# Altium PCB MB1605.PcbDoc (part 3 of 11) (continued)
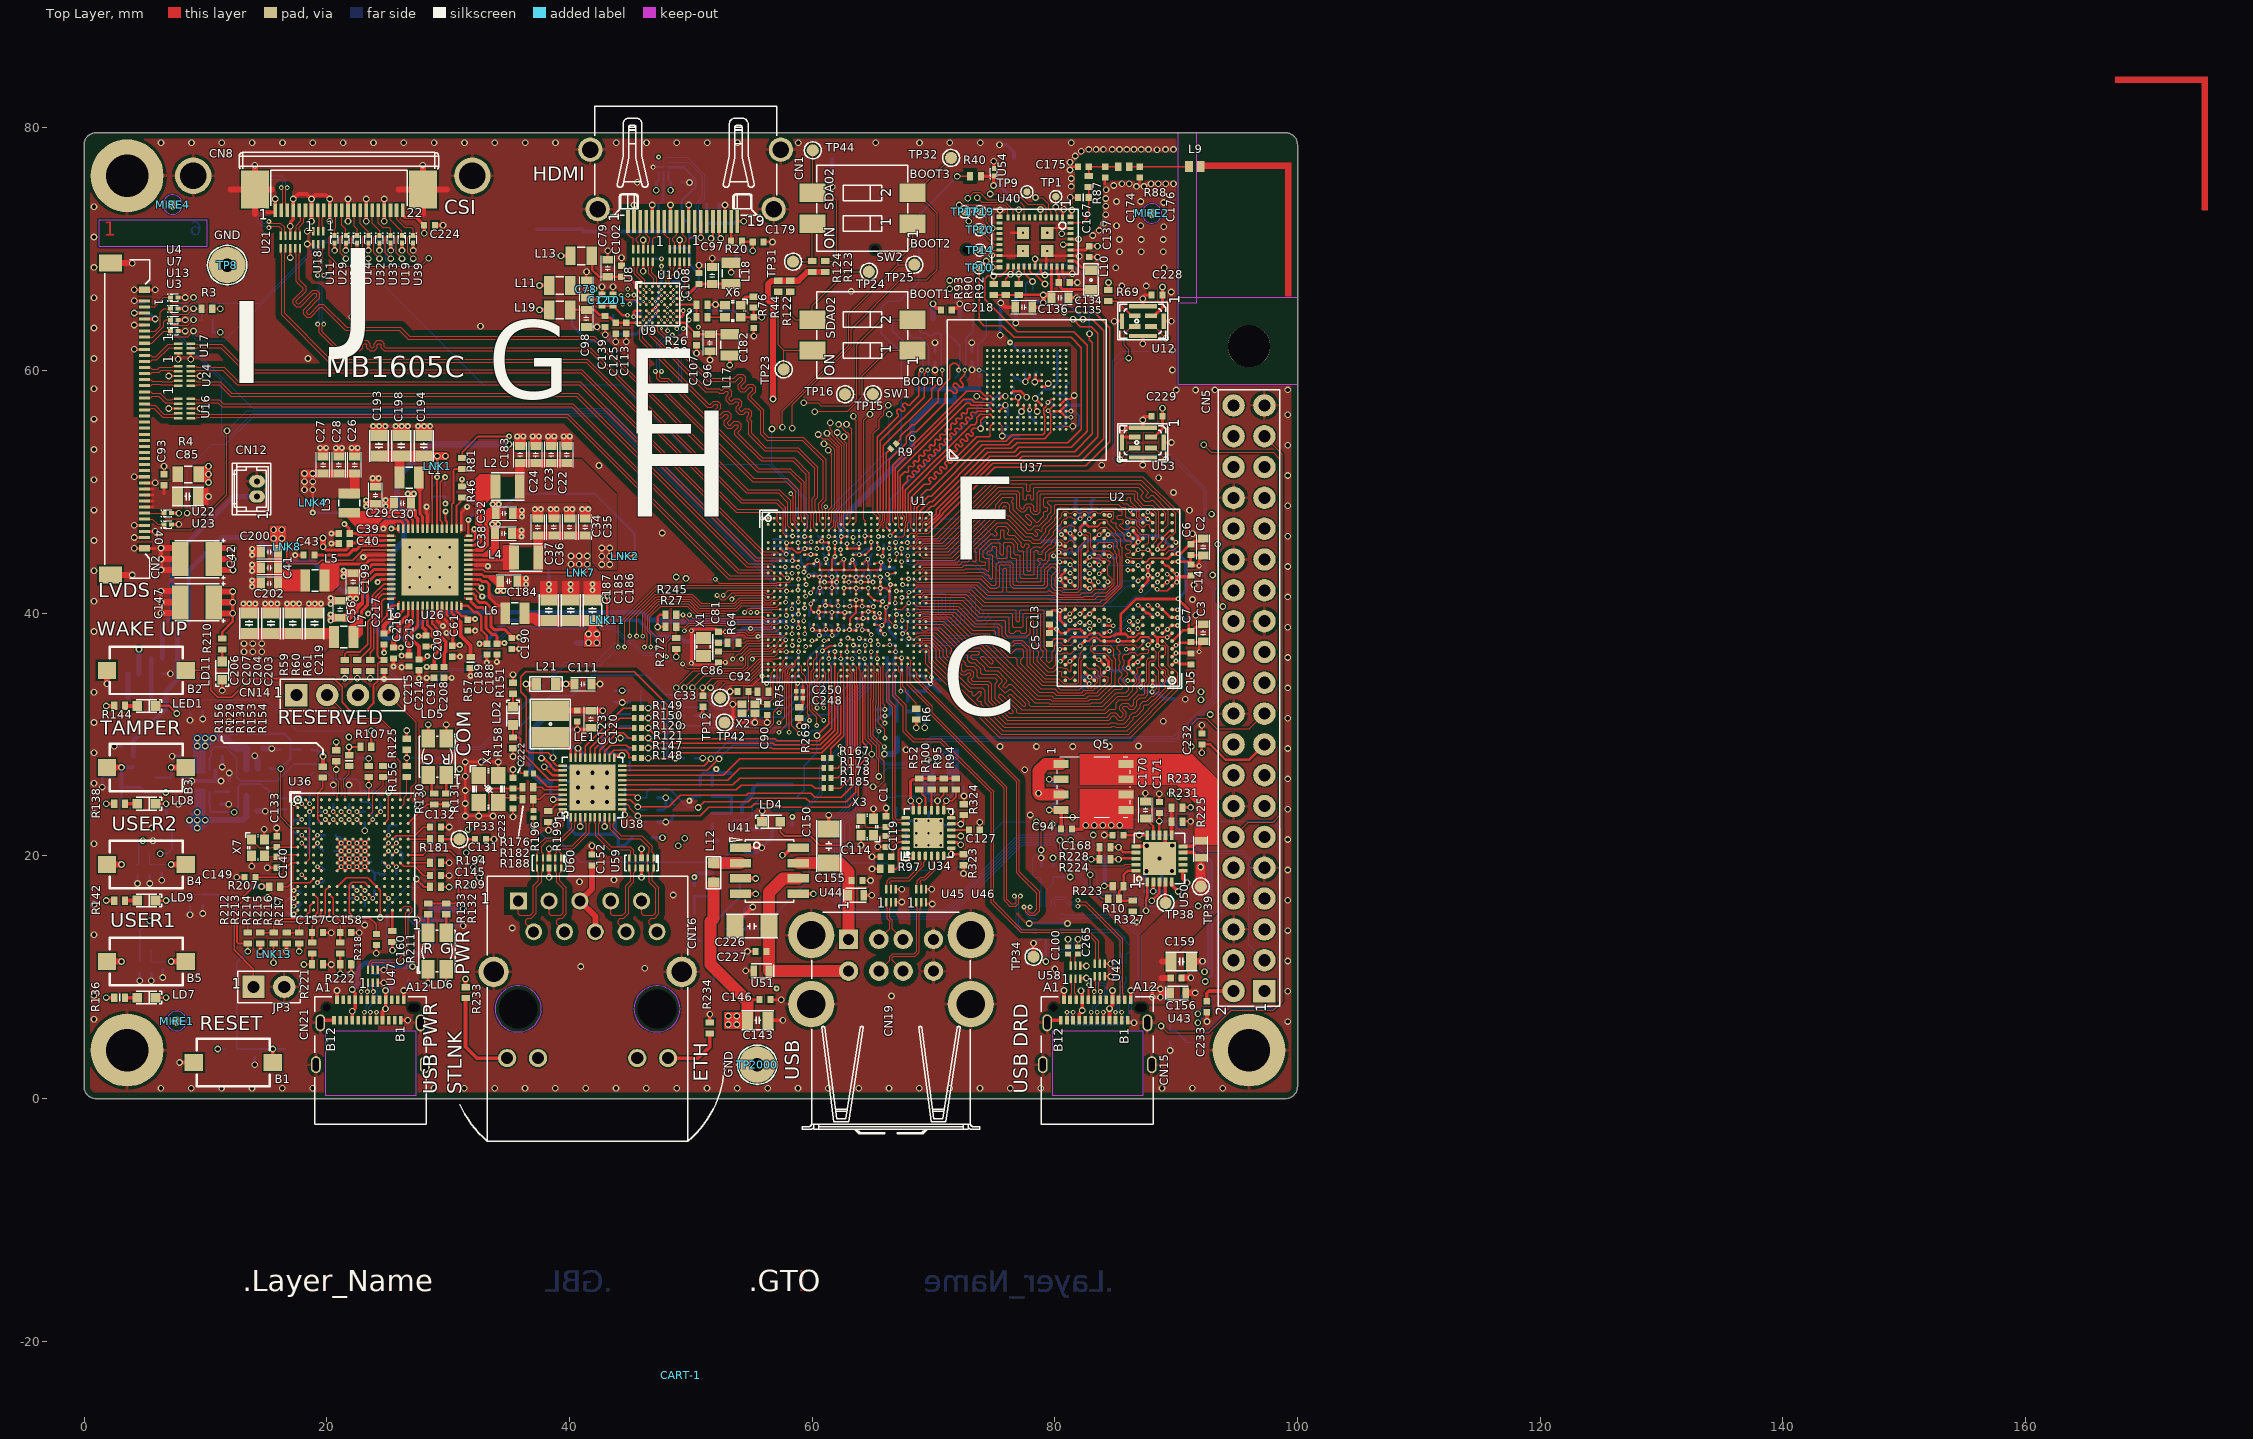
[diagram p0: Top Layer view]
## Part data (continued)
LE1: library part MCD-00048, "FIXED IND 4.7UH 1A 180 MOHM 30% SMD", Manufacturer=MURATA, Manufacturer_Part_Number=LQH32PN4R7NN0L, Package=1210, Component_Country_Of_Origin=Japan, ComponentLink1Description=Datasheet, ComponentLink1URL=http://tunmcdsvn.tun.st.com/Component_Documentation_Library/Trunk/Inductor/MURATA_LQH32PN4R7NN0, ECCN_EU=n/a, ECCN_US=n/a, ID=2544, Initial_Board_Reference=mb1274, Internal_Part_Number=MCD-00048, Order_Code_Digikey=490-5338-2-ND, Order_Code_Farnell=2470296, Order_Code_RS=167-4086, Part_Preference=Recommended, Part_Type=Inductor, Provided_By=SUBCO, ShowFields=YES, Status=Released
LED1: library part MCD-00585, "LED Blue, 0603 SMD, Forward Voltage Min=2,8V, Max=3,8V", Alternate_Manufacturer=EVERLIGHT, Alternate_Manufacturer_Part_Number=19-217-BHC-ZL1M2RY-3T-V4, Manufacturer="OSRAM OPTO SEMICONDUCTORS", Manufacturer_Part_Number="LB Q39G-L2OO-35-1", Package="LED 0603", Alternate_Internal_Part_Number=MCD-02398, Component_Country_Of_Origin=Unknown, ComponentLink1Description=Datasheet, ComponentLink1URL=http://tunmcdsvn.tun.st.com/Component_Documentation_Library/Trunk/Display/OSRAM_OPTO_SEMICONDUCTORS_LB-Q39G_Series, ECCN_EU=n/a, ECCN_US=n/a, Full_Alternate_Internal_Part_Number=MCD-02398, ID=3159, Internal_Part_Number=MCD-00585, Order_Code_Digikey=475-2816-1-ND, Order_Code_Farnell=N/A, Order_Code_RS=9148643, Part_Preference=Recommended, Part_Type=Display, Provided_By=SUBCO, ShowFields=YES, Status=Released
LNK1 LNK2 LNK4 LNK7 LNK8 LNK11: library part MCD-02777, "Track link on PCB 200um width for layout routing", Manufacturer=N/A, ComponentLink1URL=http://tunmcdsvn.tun.st.com/Component_Documentation_Library/Trunk, ID=4889, Internal_Part_Number=MCD-02777, Manufacturer_Part_Number=link_200, Order_Code_Digikey=N/A, Order_Code_Farnell=N/A, Order_Code_RS=N/A, Part_Preference=Recommended, Part_Type=Misc, ShowFields=YES, Status=Checked
LNK13: library part MCD-02777, "Track link on PCB 200um width for layout routing. No component assembly and no component in BOM", Manufacturer=N/A, ComponentLink1URL=http://tunmcdsvn.tun.st.com/Component_Documentation_Library/Trunk, ID=4889, Internal_Part_Number=MCD-02777, Manufacturer_Part_Number=link_200, Order_Code_Digikey=N/A, Order_Code_Farnell=N/A, Order_Code_RS=N/A, Part_Preference=Recommended, Part_Type=Misc, ShowFields=YES, Status=Checked
Q1 Q2 Q3: library part MCD-02221, "MOSFET N-CH 20V SC-89", Alternate_Manufacturer=N/A, Manufacturer=VISHAY, Manufacturer_Part_Number=Si1062X, Package=SC-89, Alternate_Manufacturer_Part_Number=N/A, Component_Country_Of_Origin=Philippines, ComponentLink1Description=Part_Information, ComponentLink1URL=http://tunmcdsvn.tun.st.com/Component_Documentation_Library/Trunk/Transistor/VISHAY_SI1062X, ID=4321, Internal_Part_Number=MCD-02221, Order_Code_Digikey=SI1062X-T1-GE3CT-ND, Order_Code_Farnell=2646363, Order_Code_RS=812-3044, Part_Preference=Recommended, Part_Type=Transistor, ShowFields=YES, Status=Checked
Q5: library part MCD-02152, "MOSFET, Dual N-channel 30 V, 0.016 ? typ., 40 A, STripFET?H5 Power MOSFET", Manufacturer=STMICROELECTRONICS, Manufacturer_HQ_COO=EU, Package="PowerFLAT 5x6", Component_Country_Of_Origin=China, ComponentLink1URL=http://tunmcdsvn.tun.st.com/Component_Documentation_Library/Trunk/Transistor/STMICROELECTRONICS_STL40DN3LLH5, ID=4252, Internal_Part_Number=MCD-02152, Manufacturer_Part_Number=STL40DN3LLH5, Order_Code_Digikey=N/A, Order_Code_Farnell=N/A, Order_Code_RS=N/A, Part_Preference=Recommended, Part_Type=Transistor, ShowFields=YES, Status=Released
Q9 Q10: library part MCD-03690, "Transistor, MOSFET, P-CH, 30V, 3.8A, SOT23", Manufacturer="DIODES INCORPORATED", Manufacturer_Part_Number=DMP3099L, Package=SOT23, ComponentLink1URL=http://tunmcdsvn.tun.st.com/Component_Documentation_Library/Trunk/Transistor/DIODES_INCORPORATED_DMP3099L, ID=5806, Internal_Part_Number=MCD-03690, Order_Code_Digikey=DMP3099L-13DITR-ND, Order_Code_Farnell=N/A, Order_Code_RS=N/A, Part_Preference=Recommended, Part_Type=Transistor, ShowFields=YES, Status=New
Q11 Q12: library part MCD-03691, "Transistor, MOSFET, N-CH, 30V, 0.9A, SOT23", Manufacturer="DIODES INCORPORATED", Manufacturer_Part_Number=DMN3731U, ComponentLink1URL=http://tunmcdsvn.tun.st.com/Component_Documentation_Library/Trunk/Transistor/DIODES_INCORPORATED_DMN3731U, ID=5807, Internal_Part_Number=MCD-03691, Order_Code_Digikey=31-DMN3731U-7TR-ND, Order_Code_Farnell=3943613, Order_Code_RS=206-0087, Part_Preference=Recommended, Part_Type=Transistor, ShowFields=YES, Status=New
R1 R2: library part MCD-02253, "Resistor, 240R, 0201, +/-1%, 1/20W", Alternate_Manufacturer=N/A, Manufacturer=YAGEO, Manufacturer_Part_Number=RC0201FR-07240RL, Package=0201, Alternate_Manufacturer_Part_Number=N/A, Component_Country_Of_Origin=China, ComponentLink1URL=http://tunmcdsvn.tun.st.com/Component_Datasheet_Library/Trunk/Resistors/Yageo_Resistor_RC0201-series, ID=4353, Internal_Part_Number=MCD-02253, Order_Code_Digikey=YAG2528CT-ND, Order_Code_Farnell=N/A, Order_Code_RS=N/A, Part_Preference=Recommended, Part_Type=Resistor, ShowFields=YES, Status=Checked
R3 R15 R16 R17 R76 R156 R213 R214 R215 R220 R223 R323 R324: library part MCD-00053, "Resistor, 10K, 0402, +/-1%, 1/16W", Manufacturer=YAGEO, Manufacturer_Part_Number=RC0402FR-0710KL, Package=0402, BMS_Part_Number=9131590, Component_Country_Of_Origin=China, ComponentLink1URL=http://tunmcdsvn.tun.st.com/Component_Documentation_Library/Trunk/Resistor/YAGEO_RC_L_Series, ID=2539, Internal_Part_Number=MCD-00053, Order_Code_Digikey=311-10.0KLRCT-ND, Order_Code_Farnell=9239359, Order_Code_RS=N/A, Part_Preference=Recommended, Part_Type=Resistor, ShowFields=YES, Status=Released
R4: library part MCD-00179, "Resistor, 0R, 0805, +/-5%, 1/8W", Manufacturer=YAGEO, Manufacturer_Part_Number=RC0805JR-070RL, Package=0805, Component_Country_Of_Origin=China, ComponentLink1URL=http://tunmcdsvn.tun.st.com/Component_Documentation_Library/Trunk/Resistor/YAGEO_RC_L_Series, ID=2685, Internal_Part_Number=MCD-00179, Order_Code_Digikey=311-0.0ARCT-ND, Order_Code_Farnell=9233750, Order_Code_RS=N/A, Part_Preference=Recommended, Part_Type=Resistor, ShowFields=YES, Status=Released
R5 R6 R7 R250 R251: library part MCD-00417, "Resistor, 200R, 0402, +/-1%, 1/16W", Manufacturer=YAGEO, Manufacturer_Part_Number=RC0402FR-07200RL, Package=0402, Component_Country_Of_Origin=China, ComponentLink1URL=http://tunmcdsvn.tun.st.com/Component_Documentation_Library/Trunk/Resistor/YAGEO_RC_L_Series, ID=2860, Internal_Part_Number=MCD-00417, Order_Code_Digikey=311-200LRCT-ND, Order_Code_Farnell=1458756, Order_Code_RS=N/A, Part_Preference=Recommended, Part_Type=Resistor, ShowFields=YES, Status=Released
R8 R12 R219: library part MCD-02335, "Resistor, 140K, 0402, +/-1%, 1/16W", Manufacturer=YAGEO, Manufacturer_Part_Number=RC0402FR-07140KL, Package=0402, Component_Country_Of_Origin=China, ComponentLink1URL=http://tunmcdsvn.tun.st.com/Component_Documentation_Library/Trunk/Resistor/YAGEO_RC_L_Series, ID=4441, Internal_Part_Number=MCD-02335, Order_Code_Digikey=YAG2978CT-ND, Order_Code_Farnell=N/A, Order_Code_RS=N/A, Part_Preference=Recommended, Part_Type=Resistor, ShowFields=YES, Status=Checked
R9 R120 R121 R147 R148 R149 R150 R161 R164 R167 R173 R176 R178 R185 R196: library part MCD-02978, "Resistor, 22R, 0201, +/-1%, 1/20W", Manufacturer=YAGEO, Manufacturer_Part_Number=RC0201FR-0722RL, Package=0201, Component_Country_Of_Origin=China, ComponentLink1URL=http://tunmcdsvn.tun.st.com/Component_Documentation_Library/Trunk/Resistor/YAGEO_RC_L_Series, ID=5094, Internal_Part_Number=MCD-02978, Order_Code_Digikey=YAG2518TR-ND, Order_Code_Farnell=2693564, Order_Code_RS=198-7593, Part_Preference=Recommended, Part_Type=Resistor, ShowFields=YES, Status=Checked
R10 R40 R46 R57 R59 R60 R61 R64 R75 R81 R267 R269 R286: library part MCD-00052, "Resistor,0R,0402,5%,1/16W", Alternate_Manufacturer=N/A, Manufacturer=YAGEO, Manufacturer_Part_Number=RC0402JR-070RL, Package=0402, Alternate_Manufacturer_Part_Number=N/A, Component_Country_Of_Origin=China, ComponentLink1URL=http://tunmcdsvn.tun.st.com/Component_Documentation_Library/Trunk/Resistor/YAGEO_RC_L_Series, ID=2540, Internal_Part_Number=MCD-00052, Order_Code_Digikey=311-0.0JRCT-ND, Order_Code_Farnell=9232516RL, Order_Code_RS=618-5804, Part_Preference=Recommended, Part_Type=Resistor, ShowFields=YES, Status=Released
  R10: ComponentLink1Description=Part_Information
  R40: ComponentLink1Description=Datasheet, ECCN_EU=NEC, ECCN_US=EAR99, Provided_By=SUBCO
  R46 R57 R59 R60 R61 R81 R267 R269 R286: ComponentLink1Description=Datasheet, ECCN_EU=NEC, ECCN_US=EAR99, Initial_Board_Reference=mb1274, Provided_By=SUBCO
  R64 R75: ComponentLink1Description=Datasheet, ECCN_EU=n/a, ECCN_US=n/a, Initial_Board_Reference=mb1274, Provided_By=SUBCO
R11: library part MCD-00056, "Resistor, 0R, 0603, +/-5%, 1/10W", Manufacturer=YAGEO, Manufacturer_Part_Number=RC0603JR-070RL, Package=0603, Component_Country_Of_Origin=China, ComponentLink1URL=http://tunmcdsvn.tun.st.com/Component_Documentation_Library/Trunk/Resistor/YAGEO_RC_L_Series, ID=2536, Internal_Part_Number=MCD-00056, Order_Code_Digikey=311-0.0GRCT-ND, Order_Code_Farnell=9233130RL, Order_Code_RS=N/A, Part_Preference=Recommended, Part_Type=Resistor, ShowFields=YES, Status=Released
R13 R21 R22 R25: library part MCD-00419, "Resistor, 2K, 0402, +/-1%, 1/16W", Manufacturer=YAGEO, Manufacturer_Part_Number=RC0402FR-072KL, Package=0402, Component_Country_Of_Origin=China, ComponentLink1URL=http://tunmcdsvn.tun.st.com/Component_Documentation_Library/Trunk/Resistor/YAGEO_RC_L_Series, ID=2861, Internal_Part_Number=MCD-00419, Order_Code_Digikey=311-2KLRCT-ND, Order_Code_Farnell=1458757RL, Order_Code_RS=N/A, Part_Preference=Recommended, Part_Type=Resistor, ShowFields=YES, Status=Released
R18 R139: library part MCD-00061, "Resistor, 1K, 0402, +/-1%,1/16W", Manufacturer=YAGEO, Manufacturer_Part_Number=RC0402FR-071KL, Package=0402, Component_Country_Of_Origin=China, ComponentLink1URL=http://tunmcdsvn.tun.st.com/Component_Documentation_Library/Trunk/Resistor/YAGEO_RC_L_Series, ID=2532, Internal_Part_Number=MCD-00061, Order_Code_Digikey=311-1.00KLRCT-ND, Order_Code_Farnell=9239235, Order_Code_RS=N/A, Part_Preference=Recommended, Part_Type=Resistor, ShowFields=YES, Status=Released
R20 R23 R24 R26 R29 R30 R63 R67 R129 R154 R155 R211 R212: library part MCD-00052, "Resistor, 0R, 0402, +/-5%, 1/16W", Manufacturer=YAGEO, Manufacturer_Part_Number=RC0402JR-070RL, Package=0402, Component_Country_Of_Origin=China, ComponentLink1URL=http://tunmcdsvn.tun.st.com/Component_Documentation_Library/Trunk/Resistor/YAGEO_RC_L_Series, ID=2540, Internal_Part_Number=MCD-00052, Order_Code_Digikey=311-0.0JRCT-ND, Order_Code_Farnell=9232516RL, Order_Code_RS=618-5804, Part_Preference=Recommended, Part_Type=Resistor, ShowFields=YES, Status=Released
R27 R33 R34 R52 R100 R107 R125 R205 R272: library part MCD-00053, "Resistor,10K,0402,1%,1/16W", Alternate_Manufacturer=N/A, Manufacturer=YAGEO, Manufacturer_Part_Number=RC0402FR-0710KL, Package=0402, Alternate_Manufacturer_Part_Number=N/A, BMS_Part_Number=9131590, Component_Country_Of_Origin=China, ComponentLink1Description=Datasheet, ComponentLink1URL=http://tunmcdsvn.tun.st.com/Component_Documentation_Library/Trunk/Resistor/YAGEO_RC_L_Series, ID=2539, Internal_Part_Number=MCD-00053, Order_Code_Digikey=311-10.0KLRCT-ND, Order_Code_Farnell=9239359, Order_Code_RS=N/A, Part_Preference=Recommended, Part_Type=Resistor, ShowFields=YES, Status=Released
  R34: ECCN_EU=NEC, ECCN_US=EAR99, Provided_By=SUBCO
  R52 R100: ECCN_EU=n/a, ECCN_US=n/a, Initial_Board_Reference=MB1274, Provided_By=SUBCO
R28: library part MCD-00444, "Resistor, 27K, 0603, +/-1%, 1/10W", Manufacturer=YAGEO, Manufacturer_Part_Number=RC0603FR-0727KL, Package=0603, Component_Country_Of_Origin=China, ComponentLink1URL=http://tunmcdsvn.tun.st.com/Component_Documentation_Library/Trunk/Resistor/YAGEO_RC_L_Series, ID=2833, Internal_Part_Number=MCD-00444, Order_Code_Digikey=311-27.0KHRCT-ND, Order_Code_Farnell=9238654, Order_Code_RS=N/A, Part_Preference=Recommended, Part_Type=Resistor, ShowFields=YES, Status=Released
R31 R32 R224 R228 R245 R246: library part MCD-00068, "Resistor,1K5,0402,1%,1/16W", Alternate_Manufacturer=N/A, Manufacturer=YAGEO, Manufacturer_Part_Number=RC0402FR-071K5L, Package=0402, Alternate_Manufacturer_Part_Number=N/A, Component_Country_Of_Origin=China, ComponentLink1Description=Datasheet, ComponentLink1URL=http://tunmcdsvn.tun.st.com/Component_Documentation_Library/Trunk/Resistor/YAGEO_RC_L_Series, ID=2524, Internal_Part_Number=MCD-00068, Order_Code_Digikey=311-1.50KLRCT-ND, Order_Code_Farnell=9239251, Order_Code_RS=N/A, Part_Preference=Recommended, Part_Type=Resistor, ShowFields=YES, Status=Released
R35 R36 R37 R38 R39: library part MCD-00063, "Resistor,47K,0402,1%,1/16W", Alternate_Manufacturer=N/A, Manufacturer=YAGEO, Manufacturer_Part_Number=RC0402FR-0747KL, Package=0402, Alternate_Manufacturer_Part_Number=N/A, Component_Country_Of_Origin=China, ComponentLink1Description=Datasheet, ComponentLink1URL=http://tunmcdsvn.tun.st.com/Component_Documentation_Library/Trunk/Resistor/YAGEO_RC_L_Series, ECCN_EU=NEC, ECCN_US=EAR99, ID=2528, Internal_Part_Number=MCD-00063, Order_Code_Digikey=311-47.0KLRCT-ND, Order_Code_Farnell=9239430, Order_Code_RS=N/A, Part_Preference=Recommended, Part_Type=Resistor, Provided_By=SUBCO, ShowFields=YES, Status=Released
R41 R162 R187 R200 R217 R218 R227 R229 R239: library part MCD-00059, "Resistor, 100K, 0402, +/-1%, 1/16W", Manufacturer=YAGEO, Manufacturer_Part_Number=RC0402FR-07100KL, Package=0402, Alternate_EMS=M, Component_Country_Of_Origin=China, ComponentLink1URL=http://tunmcdsvn.tun.st.com/Component_Documentation_Library/Trunk/Resistor/YAGEO_RC_L_Series, ID=2533, Internal_Part_Number=MCD-00059, Order_Code_Digikey=311-100KLRTR-ND, Order_Code_Farnell=2421891, Order_Code_RS=N/A, Part_Preference=Recommended, Part_Type=Resistor, Partial_Alternate_Internal_Part_Number=MCD-03301, ShowFields=YES, Status=Released
R42: library part MCD-00053, "Resistor, 10K, 0402, +/-1%, 1/16W", Alternate_Manufacturer=N/A, Manufacturer=YAGEO, Manufacturer_Part_Number=RC0402FR-0710KL, Package=0402, Alternate_Manufacturer_Part_Number=N/A, BMS_Part_Number=9131590, Component_Country_Of_Origin=China, ComponentLink1URL=http://tunmcdsvn.tun.st.com/Component_Documentation_Library/Trunk/Resistor/YAGEO_RC_L_Series, ID=2539, Internal_Part_Number=MCD-00053, Order_Code_Digikey=311-10.0KLRCT-ND, Order_Code_Farnell=9239359, Order_Code_RS=N/A, Part_Preference=Recommended, Part_Type=Resistor, ShowFields=YES, Status=Released
R44 R96 R122 R123 R124: library part MCD-00061, "Resistor,1K,0402,1%,1/16W", Alternate_Manufacturer=N/A, Manufacturer=YAGEO, Manufacturer_Part_Number=RC0402FR-071KL, Package=0402, Alternate_Manufacturer_Part_Number=N/A, Component_Country_Of_Origin=China, ComponentLink1Description=Datasheet, ComponentLink1URL=http://tunmcdsvn.tun.st.com/Component_Documentation_Library/Trunk/Resistor/YAGEO_RC_L_Series, ID=2532, Internal_Part_Number=MCD-00061, Order_Code_Digikey=311-1.00KLRCT-ND, Order_Code_Farnell=9239235, Order_Code_RS=N/A, Part_Preference=Recommended, Part_Type=Resistor, ShowFields=YES, Status=Released
  R96: ECCN_EU=n/a, ECCN_US=n/a, Initial_Board_Reference=MB1274, Provided_By=SUBCO
R66: library part MCD-00058, "Resistor, 20R, 0402, +/-1%, 1/16W", Alternate_Manufacturer=N/A, Manufacturer=YAGEO, Manufacturer_Part_Number=RC0402FR-0720RL, Package=0402, Alternate_Manufacturer_Part_Number=N/A, BMS_Part_Number=9131027, Component_Country_Of_Origin=China, ComponentLink1URL=http://tunmcdsvn.tun.st.com/Component_Documentation_Library/Trunk/Resistor/YAGEO_RC_L_Series, ID=2537, Internal_Part_Number=MCD-00058, Order_Code_Digikey=311-20LRCT-ND, Order_Code_Farnell=1799192, Order_Code_RS=N/A, Part_Preference=Recommended, Part_Type=Resistor, ShowFields=YES, Status=Released
R69 R101 R103 R104 R248: library part MCD-00053, "Resistor,10K,0402,1%,1/16W", Manufacturer=YAGEO, Manufacturer_Part_Number=RC0402FR-0710KL, Package=0402, BMS_Part_Number=9131590, Component_Country_Of_Origin=China, ComponentLink1Description=Datasheet, ComponentLink1URL=http://tunmcdsvn.tun.st.com/Component_Documentation_Library/Trunk/Resistor/YAGEO_RC_L_Series, ID=2539, Internal_Part_Number=MCD-00053, Order_Code_Digikey=311-10.0KLRCT-ND, Order_Code_Farnell=9239359, Order_Code_RS=N/A, Part_Preference=Recommended, Part_Type=Resistor, ShowFields=YES, Status=Released
  R101 R103 R104 R248: ECCN_EU=NEC, ECCN_US=EAR99, Provided_By=SUBCO
R87 R88 R182 R188: library part MCD-00052, "Resistor,0R,0402,5%,1/16W", Manufacturer=YAGEO, Manufacturer_Part_Number=RC0402JR-070RL, Package=0402, Component_Country_Of_Origin=China, ComponentLink1Description=Datasheet, ComponentLink1URL=http://tunmcdsvn.tun.st.com/Component_Documentation_Library/Trunk/Resistor/YAGEO_RC_L_Series, ID=2540, Internal_Part_Number=MCD-00052, Order_Code_Digikey=311-0.0JRCT-ND, Order_Code_Farnell=9232516RL, Order_Code_RS=618-5804, Part_Preference=Recommended, Part_Type=Resistor, Provided_By=SUBCO, ShowFields=YES, Status=Released
  R87 R88: ECCN_EU=NEC, ECCN_US=EAR99, Initial_Board_Reference=MB1274
  R182 R188: ECCN_EU=n/a, ECCN_US=n/a, Initial_Board_Reference=mb1274
R89 R90 R91 R92 R93: library part MCD-00063, "Resistor,47K,0402,1%,1/16W", Manufacturer=YAGEO, Manufacturer_Part_Number=RC0402FR-0747KL, Package=0402, Component_Country_Of_Origin=China, ComponentLink1Description=Datasheet, ComponentLink1URL=http://tunmcdsvn.tun.st.com/Component_Documentation_Library/Trunk/Resistor/YAGEO_RC_L_Series, ECCN_EU=NEC, ECCN_US=EAR99, ID=2528, Initial_Board_Reference=MB1274, Internal_Part_Number=MCD-00063, Order_Code_Digikey=311-47.0KLRCT-ND, Order_Code_Farnell=9239430, Order_Code_RS=N/A, Part_Preference=Recommended, Part_Type=Resistor, Provided_By=SUBCO, ShowFields=YES, Status=Released
R94 R95 R98 R99 R102 R105 R106 R128 R135 R137 R141 R143: library part MCD-00059, "Resistor,100K,0402,1%,1/16W", Alternate_Manufacturer=YAGEO, Alternate_Manufacturer_Part_Number=RT0402FRE07100KL, Manufacturer_Part_Number=RC0402FR-07100KL, Package=0402, Alternate_EMS=M, Component_Country_Of_Origin=China, ComponentLink1Description=Datasheet, ComponentLink1URL=http://tunmcdsvn.tun.st.com/Component_Documentation_Library/Trunk/Resistor/YAGEO_RC_L_Series, ID=2533, Internal_Part_Number=MCD-00059, Manufacturer=YAGEO, Order_Code_Digikey=311-100KLRTR-ND, Order_Code_Farnell=2421891, Order_Code_RS=N/A, Part_Preference=Recommended, Part_Type=Resistor, Partial_Alternate_Internal_Part_Number=MCD-03301, ShowFields=YES, Status=Released
  R94 R95 R98 R99 R102: ECCN_EU=n/a, ECCN_US=n/a, Initial_Board_Reference=MB1274, Provided_By=SUBCO
R97: library part MCD-00187, "Resistor,12K,0402,1%,1/16W", Alternate_Manufacturer=N/A, Manufacturer=YAGEO, Manufacturer_Part_Number=RC0402FR-0712KL, Package=0402, Alternate_Manufacturer_Part_Number=N/A, BMS_Part_Number=9131030, Component_Country_Of_Origin=China, ComponentLink1Description=Datasheet, ComponentLink1URL=http://tunmcdsvn.tun.st.com/Component_Documentation_Library/Trunk/Resistor/YAGEO_RC_L_Series, ECCN_EU=n/a, ECCN_US=n/a, ID=2678, Internal_Part_Number=MCD-00187, Order_Code_Digikey=311-12.0KLRCT-ND, Order_Code_Farnell=9239367, Order_Code_RS=N/A, Part_Preference=Recommended, Part_Type=Resistor, Provided_By=SUBCO, ShowFields=YES, Status=Released
R109 R110 R111 R112 R113 R114 R158 R292 R293 R303 R304 R305 R319 R322: library part MCD-00065, "Resistor,4K7,0402,1%,1/16W", Alternate_Manufacturer=YAGEO, Alternate_Manufacturer_Part_Number=RT0402FRE074K7L, Manufacturer_Part_Number=RC0402FR-074K7L, Package=0402, Alternate_EMS=M, Component_Country_Of_Origin=China, ComponentLink1Description=Datasheet, ComponentLink1URL=http://tunmcdsvn.tun.st.com/Component_Documentation_Library/Trunk/Resistor/YAGEO_RC_L_Series, ECCN_EU=n/a, ECCN_US=n/a, ID=2526, Initial_Board_Reference=mb1274, Internal_Part_Number=MCD-00065, Manufacturer=YAGEO, Order_Code_Digikey=311-4.7KLRCT-ND, Order_Code_Farnell=9239316, Order_Code_RS=N/A, Part_Preference=Recommended, Part_Type=Resistor, Partial_Alternate_Internal_Part_Number=MCD-03300, Provided_By=SUBCO, ShowFields=YES, Status=Released
R126 R127: library part MCD-00062, "Resistor,330R,0402,1%,1/16W", Alternate_Manufacturer=N/A, Manufacturer=YAGEO, Manufacturer_Part_Number=RC0402FR-07330RL, Package=0402, Alternate_Manufacturer_Part_Number=N/A, Component_Country_Of_Origin=China, ComponentLink1Description=Datasheet, ComponentLink1URL=http://tunmcdsvn.tun.st.com/Component_Documentation_Library/Trunk/Resistor/YAGEO_RC_L_Series, ID=2529, Internal_Part_Number=MCD-00062, Order_Code_Digikey=311-330LRCT-ND, Order_Code_Farnell=9239170, Order_Code_RS=N/A, Part_Preference=Recommended, Part_Type=Resistor, ShowFields=YES, Status=Released
R130 R132: library part MCD-00062, "Resistor, 330R, 0402, +/-1%, 1/16W", Manufacturer=YAGEO, Manufacturer_Part_Number=RC0402FR-07330RL, Package=0402, Component_Country_Of_Origin=China, ComponentLink1URL=http://tunmcdsvn.tun.st.com/Component_Documentation_Library/Trunk/Resistor/YAGEO_RC_L_Series, ID=2529, Internal_Part_Number=MCD-00062, Order_Code_Digikey=311-330LRCT-ND, Order_Code_Farnell=9239170, Order_Code_RS=N/A, Part_Preference=Recommended, Part_Type=Resistor, ShowFields=YES, Status=Released
R131 R133: library part MCD-02665, "Resistor, 1K, 0402, +/-0.1%, 1/16W, +/-25ppm/캜", Manufacturer=YAGEO, Manufacturer_Part_Number=RT0402BRD071KL, Package=0402, ComponentLink1URL=http://tunmcdsvn.tun.st.com/Component_Documentation_Library/Trunk/Resistor/YAGEO_RT_Series, ID=4771, Internal_Part_Number=MCD-02665, Order_Code_Digikey=YAG1386TR-ND, Order_Code_Farnell=3496475, Order_Code_RS=199-1298, Part_Preference=Recommended, Part_Type=Resistor, ShowFields=YES, Status=Checked
R134 R153 R207 R209: library part MCD-00455, "Resistor, 33R, 0402, +/-1%, 1/16W", Manufacturer=YAGEO, Manufacturer_Part_Number=RC0402FR-0733RL, Package=0402, Component_Country_Of_Origin=China, ComponentLink1URL=http://tunmcdsvn.tun.st.com/Component_Documentation_Library/Trunk/Resistor/YAGEO_RC_L_Series, ID=2821, Internal_Part_Number=MCD-00455, Order_Code_Digikey=311-33.0LRCT-ND, Order_Code_Farnell=9239057, Order_Code_RS=N/A, Part_Preference=Recommended, Part_Type=Resistor, ShowFields=YES, Status=Released
R136: library part MCD-00461, "Resistor,360R,0402,1%,1/16W", Manufacturer=YAGEO, Manufacturer_Part_Number=RC0402FR-07360RL, Package=0402, Component_Country_Of_Origin=China, ComponentLink1Description=Datasheet, ComponentLink1URL=http://tunmcdsvn.tun.st.com/Component_Documentation_Library/Trunk/Resistor/YAGEO_RC_L_Series, ECCN_EU=NEC, ECCN_US=EAR99, ID=2816, Internal_Part_Number=MCD-00461, Order_Code_Digikey=YAG3132CT-ND, Order_Code_Farnell=1458786, Order_Code_RS=N/A, Part_Preference=Recommended, Part_Type=Resistor, Provided_By=SUBCO, ShowFields=YES, Status=Released
R138 R151 R210: library part MCD-00441, "Resistor,270R,0402,1%,1/16W", Manufacturer=YAGEO, Manufacturer_Part_Number=RC0402FR-07270RL, Package=0402, Component_Country_Of_Origin=China, ComponentLink1Description=Datasheet, ComponentLink1URL=http://tunmcdsvn.tun.st.com/Component_Documentation_Library/Trunk/Resistor/YAGEO_RC_L_Series, ECCN_EU=NEC, ECCN_US=EAR99, ID=2838, Internal_Part_Number=MCD-00441, Order_Code_Digikey=311-270LRCT-ND, Order_Code_Farnell=9239162, Order_Code_RS=N/A, Part_Preference=Recommended, Part_Type=Resistor, Provided_By=SUBCO, ShowFields=YES, Status=Released
R140 R181: library part MCD-00067, "Resistor, 100R, 0402, +/- 1%, 1/16W", Manufacturer=YAGEO, Manufacturer_Part_Number=RC0402FR-07100RL, Package=0402, Component_Country_Of_Origin=China, ComponentLink1URL=http://tunmcdsvn.tun.st.com/Component_Documentation_Library/Trunk/Resistor/YAGEO_RC_L_Series, ID=2527, Internal_Part_Number=MCD-00067, Order_Code_Digikey=311-100LRCT-ND, Order_Code_Farnell=9239111, Order_Code_RS=N/A, Part_Preference=Recommended, Part_Type=Resistor, ShowFields=YES, Status=Released
R142: library part MCD-00449, "Resistor,300R,0402,1%,1/16W", Manufacturer=YAGEO, Manufacturer_Part_Number=RC0402FR-07300RL, Package=0402, Component_Country_Of_Origin=China, ComponentLink1Description=Datasheet, ComponentLink1URL=http://tunmcdsvn.tun.st.com/Component_Documentation_Library/Trunk/Resistor/YAGEO_RC_L_Series, ECCN_EU=NEC, ECCN_US=EAR99, ID=2832, Internal_Part_Number=MCD-00449, Order_Code_Digikey=311-300LRCT-ND, Order_Code_Farnell=1458776, Order_Code_RS=N/A, Part_Preference=Recommended, Part_Type=Resistor, Provided_By=SUBCO, ShowFields=YES, Status=Released
R144: library part MCD-00194, "Resistor,120R,0402,1%,1/16W", Manufacturer=YAGEO, Manufacturer_Part_Number=RC0402FR-07120RL, Package=0402, Component_Country_Of_Origin=China, ComponentLink1Description=Datasheet, ComponentLink1URL=http://tunmcdsvn.tun.st.com/Component_Documentation_Library/Trunk/Resistor/YAGEO_RC_L_Series, ECCN_EU=NEC, ECCN_US=EAR99, ID=2674, Internal_Part_Number=MCD-00194, Order_Code_Digikey=311-120LRCT-ND, Order_Code_Farnell=9239120, Order_Code_RS=N/A, Part_Preference=Recommended, Part_Type=Resistor, Provided_By=SUBCO, ShowFields=YES, Status=Released
R191 R195 R260 R261 R318: library part MCD-00068, "Resistor,1K5,0402,1%,1/16W", Manufacturer=YAGEO, Manufacturer_Part_Number=RC0402FR-071K5L, Package=0402, Component_Country_Of_Origin=China, ComponentLink1Description=Datasheet, ComponentLink1URL=http://tunmcdsvn.tun.st.com/Component_Documentation_Library/Trunk/Resistor/YAGEO_RC_L_Series, ID=2524, Internal_Part_Number=MCD-00068, Order_Code_Digikey=311-1.50KLRCT-ND, Order_Code_Farnell=9239251, Order_Code_RS=N/A, Part_Preference=Recommended, Part_Type=Resistor, ShowFields=YES, Status=Released
  R191 R195 R318: ECCN_EU=n/a, ECCN_US=n/a, Initial_Board_Reference=mb1274, Provided_By=SUBCO
R194 R230: library part MCD-00185, "Resistor, 3K, 0402, +/-1%, 1/16W", Manufacturer=YAGEO, Manufacturer_Part_Number=RC0402FR-073KL, Package=0402, Component_Country_Of_Origin=China, ComponentLink1URL=http://tunmcdsvn.tun.st.com/Component_Documentation_Library/Trunk/Resistor/YAGEO_RC_L_Series, ID=2682, Internal_Part_Number=MCD-00185, Order_Code_Digikey=311-3KLRCT-ND, Order_Code_Farnell=1458777, Order_Code_RS=N/A, Part_Preference=Recommended, Part_Type=Resistor, ShowFields=YES, Status=Released
R199: library part MCD-00183, "Resistor,2K49,0402,1%,1/16W", Manufacturer=YAGEO, Manufacturer_Part_Number=RC0402FR-072K49L, Package=0402, Component_Country_Of_Origin=China, ComponentLink1Description=Datasheet, ComponentLink1URL=http://tunmcdsvn.tun.st.com/Component_Documentation_Library/Trunk/Resistor/YAGEO_RC_L_Series, ECCN_EU=n/a, ECCN_US=n/a, ID=2687, Internal_Part_Number=MCD-00183, Order_Code_Digikey=311-2.49KLRCT-ND, Order_Code_Farnell=1799190, Order_Code_RS=N/A, Part_Preference=Recommended, Part_Type=Resistor, Provided_By=SUBCO, ShowFields=YES, Status=Released
R216 R221 R222: library part MCD-00333, "Resistor, 5K1, 0402, +/-1%, 1/16W", Manufacturer=YAGEO, Manufacturer_Part_Number=RC0402FR-075K1L, Package=0402, Component_Country_Of_Origin=China, ComponentLink1URL=http://tunmcdsvn.tun.st.com/Component_Documentation_Library/Trunk/Resistor/YAGEO_RC_L_Series, ID=2944, Internal_Part_Number=MCD-00333, Order_Code_Digikey=311-5.10KLRCT-ND, Order_Code_Farnell=1458805, Order_Code_RS=N/A, Part_Preference=Recommended, Part_Type=Resistor, ShowFields=YES, Status=Released
R225: library part MCD-02232, "Resistor, 22mR, 0603, +/-1%, 1/3W", Manufacturer=PANASONIC, Manufacturer_Part_Number=ERJ-3BWFR022V, Package=0603, Component_Country_Of_Origin=Japan, ComponentLink1URL=http://tunmcdsvn.tun.st.com/Component_Documentation_Library/Trunk/Resistor/PANASONIC_ERJ_Series, ID=4332, Internal_Part_Number=MCD-02232, Order_Code_Digikey=P17462CT-ND, Order_Code_Farnell=1798578, Order_Code_RS=763-8671P, Part_Preference=Recommended, Part_Type=Resistor, ShowFields=YES, Status=Checked
R226 R242: library part MCD-02455, "Resistor, 3K9, 0402, +/-1%, 1/16W, +/-100ppm/캜", Manufacturer=YAGEO, Manufacturer_Part_Number=RC0402FR-073K9L, Package=0402, Component_Country_Of_Origin=China, ComponentLink1URL=http://tunmcdsvn.tun.st.com/Component_Documentation_Library/Trunk/Resistor/YAGEO_RC0402_Series, ID=4561, Internal_Part_Number=MCD-02455, Order_Code_Digikey=311-3.90KLRTR-ND, Order_Code_Farnell=9239308, Order_Code_RS=198-7783, Part_Preference=Recommended, Part_Type=Resistor, ShowFields=YES, Status=Released